# Altium PCB LimeSDR_Mini_1v3_Rounded.PcbDoc (part 2 of 6) (continued)
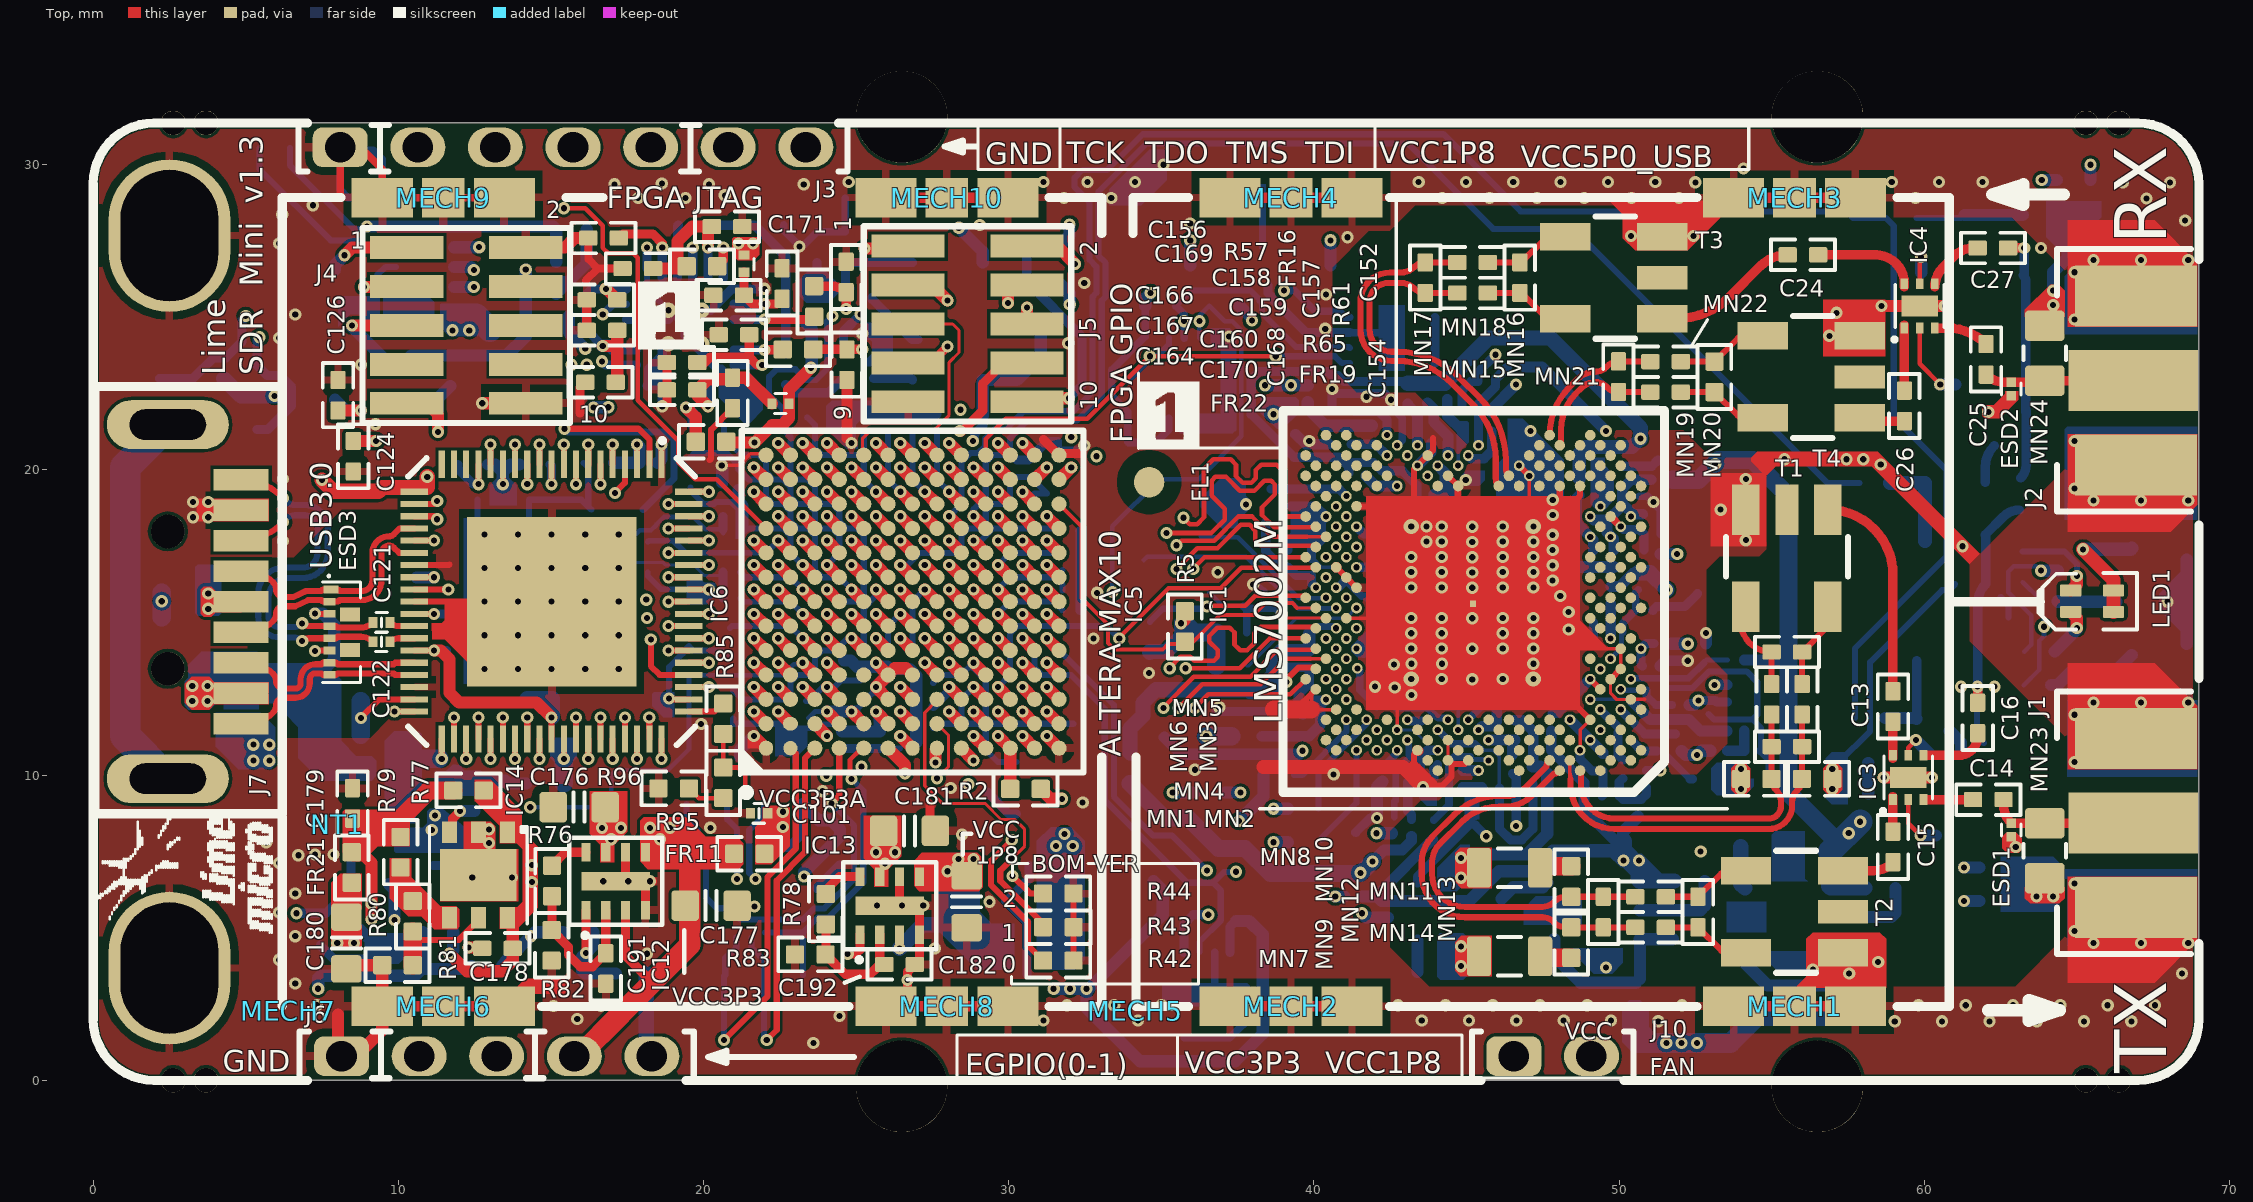
[diagram p0: Top view]
## Part data (continued)
  R35: Assembly Info=NF
R6 R7 R8 R9 R23 R24 R63: library part Res_0402, Manufacturer="Samsung Electro-Mechanics America, Inc.", Manufacturer Part Number 1=RC1005F49R9CS, Operating Temperature="-55°C ~ 155°C", Package / Case="0402 (1005 Metric)", Power (Watts)="0.063W, 1/16W", Resistance (Ohms)=49.9, Supplier Part Number 1=1276-3469-6-ND, Temperature Coefficient=±100ppm/°C, Tolerance=±1%, Category=Resistors, Composition="Thick Film", Features=-, Height="0.016\" (0.40mm)", Number of Terminations=2, Packaging=Digi-Reel®, Part Description="RES SMD 49.9 OHM 1% 1/16W 0402", RoHS="RoHS Compliant", Size / Dimension="0.039\" L x 0.020\" W (1.00mm x 0.50mm)", Supplier 1=Digi-Key, Supplier Device Package="0402 (1005 Metric)"
R12 R13: library part Res_0402, Manufacturer="Stackpole Electronics Inc", Manufacturer Part Number 1=RMCF0402FT2K20, Operating Temperature="-55°C ~ 155°C", Package / Case="0402 (1005 Metric)", Power (Watts)="0.063W, 1/16W", Resistance (Ohms)=2.2k, Supplier Device Package=0402, Supplier Part Number 1=RMCF0402FT2K20CT-ND, Temperature Coefficient=±100ppm/°C, Tolerance=±1%, Category=Resistors, Composition="Thick Film", Features=-, Height="0.016\" (0.40mm)", Number of Terminations=2, Packaging="Cut Tape (CT)", Part Description="RES SMD 2.2K OHM 1% 1/16W 0402", RoHS="RoHS Compliant", Size / Dimension="0.039\" L x 0.020\" W (1.00mm x 0.50mm)", Supplier 1=Digi-Key
R16: library part Res_0402, Manufacturer="Vishay Dale", Manufacturer Part Number 1=CRCW0402560RFKED, Operating Temperature="-55°C ~ 155°C", Package / Case="0402 (1005 Metric)", Power (Watts)="0.063W, 1/16W", Resistance (Ohms)=560, Supplier Part Number 1=541-560LCT-ND, Temperature Coefficient=±100ppm/°C, Tolerance=±1%, Assembly Info=NF, Category=Resistors, Composition="Thick Film", Features="Automotive AEC-Q200", Height="0.016\" (0.40mm)", Number of Terminations=2, Packaging="Cut Tape (CT)", Part Description="RES SMD 560 OHM 1% 1/16W 0402", RoHS="RoHS Compliant", Size / Dimension="0.039\" L x 0.020\" W (1.00mm x 0.50mm)", Supplier 1=Digi-Key, Supplier Device Package="0402 (1005 Metric)"
R17 R22 R25: library part Res_0402, Manufacturer="Stackpole Electronics Inc.", Manufacturer Part Number 1=RMCF0402FT100R, Package / Case="0402 (1005 Metric)", Supplier Part Number 1=RMCF0402FT100RDKR-ND, Temperature Coefficient=±100ppm/°C, Tolerance=±1%, Category=Resistors, Composition="Thick Film", Part Description="RES SMD 100 OHM 1% 1/16W 0402", Supplier 1=Digi-Key
  R17 R22: Assembly Info=NF
R18: library part Res_0402, Manufacturer=Yageo, Manufacturer Part Number 1=RC0402FR-072K49L, Operating Temperature="-55°C ~ 155°C", Package / Case="0402 (1005 Metric)", Power (Watts)="0.063W, 1/16W", Resistance (Ohms)=2.49k, Supplier Device Package=0402, Supplier Part Number 1=311-2.49KLRDKR-ND, Temperature Coefficient=±100ppm/°C, Tolerance=±1%, Category=Resistors, Composition="Thick Film", Features="Moisture Resistant", Height="0.016\" (0.40mm)", Number of Terminations=2, Packaging=Digi-Reel®, Part Description="RES SMD 2.49K OHM 1% 1/16W 0402", RoHS="RoHS Compliant", Size / Dimension="0.039\" L x 0.020\" W (1.00mm x 0.50mm)", Supplier 1=Digi-Key
R19 R39 R64 R66: library part Res_0402, Manufacturer="Stackpole Electronics Inc", Manufacturer Part Number 1=RMCF0402FT1K00, Operating Temperature="-55°C ~ 155°C", Package / Case="0402 (1005 Metric)", Power (Watts)="0.063W, 1/16W", Resistance (Ohms)=1k, Supplier Device Package=0402, Supplier Part Number 1=RMCF0402FT1K00TR-ND, Temperature Coefficient=±100ppm/°C, Tolerance=±1%, Category=Resistors, Composition="Thick Film", Height="0.016\" (0.40mm)", Number of Terminations=2, Part Description="RES SMD 1K OHM 1% 1/16W 0402", RoHS="RoHS Compliant", Size / Dimension="0.039\" L x 0.020\" W (1.00mm x 0.50mm)", Supplier 1=Digi-Key
  R19: Assembly Info=NF, Features=-, Packaging="Tape & Reel (TR)"
  R39 R64 R66: Features="Moisture Resistant", Packaging="Cut Tape (CT)"
R26: library part Res_0402, Manufacturer="Rohm Semiconductor", Manufacturer Part Number 1=RC0201FR-070RL, Operating Temperature="-55°C ~ 125°C", Package / Case="0201 (0603 Metric)", Power (Watts)="0.05W, 1/20W", Resistance (Ohms)=0.0, Supplier Part Number 1=311-0.0MCT-ND, Temperature Coefficient=-, Tolerance=Jumper, Category=Resistors, Composition="Thick Film", Features=-, Height="0.010\" (0.26mm)", Number of Terminations=2, Packaging="Cut Tape (CT)", Part Description="RES SMD 0.0OHM JUMPER 1/20W 0201", RoHS="RoHS Compliant", Size / Dimension="0.024\" L x 0.012\" W (0.60mm x 0.30mm)", Supplier 1=Digi-Key, Supplier Device Package="0201 (0603 Metric)"
R27 R28 R29 R30 R31 R52 R57 R59 R62 R69 R71 R74 R90 R93 R94: library part Res_0402, Manufacturer=Yageo, Manufacturer Part Number 1=RC0402JR-070RL, Operating Temperature="-55°C ~ 155°C", Package / Case="0402 (1005 Metric)", Power (Watts)="0.063W, 1/16W", Resistance (Ohms)=0.0, Supplier Device Package=0402, Supplier Part Number 1=311-0.0JRTR-ND, Temperature Coefficient=-, Tolerance=Jumper, Category=Resistors, Composition="Thick Film", Features="Moisture Resistant", Height="0.016\" (0.40mm)", Number of Terminations=2, Packaging="Tape & Reel (TR)", Part Description="RES SMD 0.0OHM JUMPER 1/16W 0402", RoHS="RoHS Compliant", Size / Dimension="0.039\" L x 0.020\" W (1.00mm x 0.50mm)", Supplier 1=Digi-Key
  R62 R71 R74 R93 R94: Assembly Info=NF
R32 R33: library part Res_0402, Manufacturer="Panasonic Electronic Components", Manufacturer Part Number=ERJ-1GEF10R0C, Operating Temperature="-55°C ~ 125°C", Package / Case="0201 (0603 Metric)", Power (Watts)="0.05W, 1/20W", Resistance (Ohms)=10, Supplier Device Package=0201, Supplier Part Number 1=P10.0ABCT-ND, Temperature Coefficient=±200ppm/°C, Tolerance=±1%, Category=Resistors, Composition="Thick Film", Features=-, Height="0.010\" (0.26mm)", Number of Terminations=2, Packaging="Cut Tape (CT)", Part Description="RES SMD 10 OHM 1% 1/20W 0201", RoHS="RoHS Compliant", Size / Dimension="0.024\" L x 0.012\" W (0.60mm x 0.30mm)", Supplier 1=Digi-Key
R42 R43 R44: library part Res_0402, Manufacturer=Yageo, Package / Case="0402 (1005 Metric)", Supplier Part Number 1=311-0.0JRTR-ND, Category=Resistors, Composition="Thick Film", Part Description="RES SMD 0.0OHM JUMPER 1/16W 0402", Supplier 1=Digi-Key
R50 R81 R84: library part Res_0402, Manufacturer=Yageo, Manufacturer Part Number 1=RC0402FR-074K7L, Operating Temperature="-55°C ~ 155°C", Package / Case="0402 (1005 Metric)", Power (Watts)="0.063W, 1/16W", Supplier Device Package=0402, Supplier Part Number 1=311-4.7KLRCT-ND, Temperature Coefficient=±100ppm/°C, Tolerance=±1%, Category=Resistors, ComponentLink1Description=http://www.yageo.com/documents/recent/PYu-RC_Group_51_RoHS_L_7.pdf, ComponentLink1URL=http://www.yageo.com/documents/recent/PYu-RC_Group_51_RoHS_L_7.pdf, Composition="Thick Film", Failure Rate=-, Features="Moisture Resistant", Height - Seated (Max)="0.016\" (0.40mm)", Packaging="Cut Tape (CT)", Part Description="±1% 0.063W, 1/16W Chip Resistor 0402 (1005 Metric) Moisture Resistant Thick Film", Part Status=Active, Pricing 1="1=0.1, 10=0.014, 100=0.0056, 1000=0.00253, 2500=0.0022, 5000=0.00181 (USD)", RoHS="RoHS Compliant", Size / Dimension="0.039\" L x 0.020\" W (1.00mm x 0.50mm)", Stock 1=4788231, Supplier 1=Digi-Key
R56: library part Res_0402, Manufacturer=Yageo, Manufacturer Part Number 1=RC0402FR-071K6L, Operating Temperature="-55°C ~ 155°C", Package / Case="0402 (1005 Metric)", Power (Watts)="0.063W, 1/16W", Resistance (Ohms)=1.6k, Supplier Device Package=0402, Supplier Part Number 1=YAG3045CT-ND, Temperature Coefficient=±100ppm/°C, Tolerance=±1%, Category=Resistors, Composition="Thick Film", Features="Moisture Resistant", Height="0.016\" (0.40mm)", Number of Terminations=2, Packaging="Cut Tape (CT)", Part Description="RES SMD 1.6K OHM 1% 1/16W 0402", RoHS="RoHS Compliant", Size / Dimension="0.039\" L x 0.020\" W (1.00mm x 0.50mm)", Supplier 1=Digi-Key
R60 R85 R95 R96: library part Res_0402, Manufacturer=Yageo, Manufacturer Part Number 1=RC0402FR-0722RL, Resistance (Ohms)=22, Supplier Device Package=0402, Supplier Part Number 1=311-22.0LRTR-ND, Temperature Coefficient=±100ppm/°C, Tolerance=±1%, Category=Resistors, Composition="Thick Film", Part Description="RES SMD 22 OHM 1% 1/16W 0402", Supplier 1=Digi-Key
  R95 R96: Assembly Info=NF
R67: library part Res_0402, Manufacturer="Vishay Dale", Manufacturer Part Number 1=RMCF0402FT3K00, Operating Temperature="-55°C ~ 155°C", Package / Case="0402 (1005 Metric)", Power (Watts)="0.063W, 1/16W", Resistance (Ohms)=3k, Supplier Part Number 1=RMCF0402FT3K00TR-ND, Temperature Coefficient=±100ppm/°C, Tolerance=±1%, Category=Resistors, Composition="Thick Film", Features="Automotive AEC-Q200", Height="0.016\" (0.40mm)", Number of Terminations=2, Packaging="Cut Tape (CT)", Part Description="RES SMD 3K OHM 1% 1/16W 0402", RoHS="RoHS Compliant", Size / Dimension="0.039\" L x 0.020\" W (1.00mm x 0.50mm)", Supplier 1=Digi-Key, Supplier Device Package="0402 (1005 Metric)"
R70 R72 R73 R75: library part Res_0402, Manufacturer="Stackpole Electronics Inc.", Manufacturer Part Number 1=RMCF0402FT100R, Operating Temperature="-55°C ~ 155°C", Package / Case="0402 (1005 Metric)", Power (Watts)="0.063W, 1/16W", Resistance (Ohms)=100, Supplier Device Package=0402, Supplier Part Number 1=RMCF0402FT100RDKR-ND, Temperature Coefficient=±100ppm/°C, Tolerance=±1%, Category=Resistors, Composition="Thick Film", Features=-, Height="0.016\" (0.40mm)", Number of Terminations=2, Packaging=Digi-Reel®, Part Description="RES SMD 100 OHM 1% 1/16W 0402", RoHS="RoHS Compliant", Size / Dimension="0.039\" L x 0.020\" W (1.00mm x 0.50mm)", Supplier 1=Digi-Key
  R73 R75: Assembly Info=NF
R76: library part Res_0402, Manufacturer=Yageo, Manufacturer Part Number 1=RC0402FR-07118KL, Operating Temperature="-55°C ~ 155°C", Package / Case="0402 (1005 Metric)", Power (Watts)="0.063W, 1/16W", Supplier Device Package=0402, Supplier Part Number 1=YAG2369CT-ND, Temperature Coefficient=±100ppm/°C, Tolerance=±1%, Category=Resistors, Composition="Thick Film", Failure Rate=-, Features="Moisture Resistant", Height - Seated (Max)="0.016\" (0.40mm)", Packaging="Cut Tape (CT)", Part Description="118 kOhms ±1% 0.063W, 1/16W Chip Resistor 0402 (1005 Metric) Moisture Resistant Thick Film", Part Status=Active, RoHS="RoHS Compliant", Size / Dimension="0.039\" L x 0.020\" W (1.00mm x 0.50mm)", Supplier 1=Digi-Key
R78: library part Res_0402, Manufacturer=Yageo, Manufacturer Part Number 1=RC0402FR-07187KL, Operating Temperature="-55°C ~ 155°C", Package / Case="0402 (1005 Metric)", Power (Watts)="0.063W, 1/16W", Supplier Device Package=0402, Supplier Part Number 1=311-187KLRCT-ND, Temperature Coefficient=±100ppm/°C, Tolerance=±1%, Category=Resistors, Composition="Thick Film", Failure Rate=-, Features="Moisture Resistant", Height - Seated (Max)="0.016\" (0.40mm)", Packaging="Cut Tape (CT)", Part Description="187 kOhms ±1% 0.063W, 1/16W Chip Resistor 0402 (1005 Metric) Moisture Resistant Thick Film", Part Status=Active, RoHS="RoHS Compliant", Size / Dimension="0.039\" L x 0.020\" W (1.00mm x 0.50mm)", Supplier 1=Digi-Key
R82: library part Res_0402, Manufacturer=Yageo, Manufacturer Part Number 1=RC0402JR-07150KL, Operating Temperature="-55°C ~ 155°C", Package / Case="0402 (1005 Metric)", Power (Watts)="0.063W, 1/16W", Supplier Device Package=0402, Supplier Part Number 1=311-150KJRCT-ND, Temperature Coefficient=±100ppm/°C, Tolerance=±5%, Category=Resistors, Composition="Thick Film", Failure Rate=-, Features="Moisture Resistant", Height - Seated (Max)="0.016\" (0.40mm)", Packaging="Cut Tape (CT)", Part Description="150 kOhms ±5% 0.063W, 1/16W Chip Resistor 0402 (1005 Metric) Moisture Resistant Thick Film", Part Status=Active, RoHS="RoHS Compliant", Size / Dimension="0.039\" L x 0.020\" W (1.00mm x 0.50mm)", Supplier 1=Digi-Key
R83: library part Res_0402, Manufacturer=Yageo, Manufacturer Part Number 1=RC0402FR-0782K5L, Operating Temperature="-55°C ~ 155°C", Package / Case="0402 (1005 Metric)", Power (Watts)="0.063W, 1/16W", Supplier Device Package=0402, Supplier Part Number 1=311-82.5KLRCT-ND, Temperature Coefficient=±100ppm/°C, Tolerance=±1%, Category=Resistors, Composition="Thick Film", Failure Rate=-, Features="Moisture Resistant", Height - Seated (Max)="0.016\" (0.40mm)", Packaging="Cut Tape (CT)", Part Description="82.5 kOhms ±1% 0.063W, 1/16W Chip Resistor 0402 (1005 Metric) Moisture Resistant Thick Film", Part Status=Active, RoHS="RoHS Compliant", Size / Dimension="0.039\" L x 0.020\" W (1.00mm x 0.50mm)", Supplier 1=Digi-Key
R86: library part Res_0402, Manufacturer=Yageo, Manufacturer Part Number 1=RC0402FR-078K2L, Operating Temperature="-55°C ~ 155°C", Package / Case="0402 (1005 Metric)", Power (Watts)="0.063W, 1/16W", Resistance (Ohms)=8.2k, Supplier Device Package=0402, Supplier Part Number 1=311-8.20KLRCT-ND, Temperature Coefficient=±100ppm/°C, Tolerance=±1%, Category=Resistors, Composition="Thick Film", Features="Moisture Resistant", Height="0.016\" (0.40mm)", Number of Terminations=2, Packaging="Cut Tape (CT)", Part Description="RES SMD 8.2K OHM 1% 1/16W 0402", RoHS="RoHS Compliant", Size / Dimension="0.039\" L x 0.020\" W (1.00mm x 0.50mm)", Supplier 1=Digi-Key
R87: library part Res_0402, Manufacturer=Yageo, Manufacturer Part Number 1=RC0402FR-0715KL, Operating Temperature="-55°C ~ 155°C", Package / Case="0402 (1005 Metric)", Power (Watts)="0.063W, 1/16W", Resistance (Ohms)=15k, Supplier Device Package=0402, Supplier Part Number 1=311-15.0KLRCT-ND, Temperature Coefficient=±100ppm/°C, Tolerance=±1%, Category=Resistors, Composition="Thick Film", Failure Rate=-, Features="Moisture Resistant", Height - Seated (Max)="0.016\" (0.40mm)", Number of Terminations=2, Packaging="Cut Tape (CT)", Part Description="RES SMD 15K OHM 1% 1/16W 0402", Part Status=Active, RoHS="RoHS Compliant", Size / Dimension="0.039\" L x 0.020\" W (1.00mm x 0.50mm)", Supplier 1=Digi-Key
R88: library part Res_0402, Manufacturer=Yageo, Manufacturer Part Number 1=RC0402FR-077K5L, Operating Temperature="-55°C ~ 155°C", Package / Case="0402 (1005 Metric)", Power (Watts)="0.063W, 1/16W", Supplier Device Package=0402, Supplier Part Number 1=YAG3512CT-ND, Temperature Coefficient=±100ppm/°C, Tolerance=±1%, Category=Resistors, Composition="Thick Film", Failure Rate=-, Features="Moisture Resistant", Height - Seated (Max)="0.016\" (0.40mm)", Packaging="Cut Tape (CT)", Part Description="±1% 0.063W, 1/16W Chip Resistor 0402 (1005 Metric) Automotive AEC-Q200, Moisture Resistant Thick Film", Part Status=Active, RoHS="RoHS Compliant", Size / Dimension="0.039\" L x 0.020\" W (1.00mm x 0.50mm)", Supplier 1=Digi-Key
R91 R92: library part Res_0402, Manufacturer="Panasonic Electronic Components", Manufacturer Part Number 1=ERJ-1GEF10R0C, Operating Temperature="-55°C ~ 125°C", Package / Case="0201 (0603 Metric)", Power (Watts)="0.05W, 1/20W", Resistance (Ohms)=10, Supplier Device Package=0201, Supplier Part Number 1=P10.0ABCT-ND, Temperature Coefficient=±200ppm/°C, Tolerance=±1%, Category=Resistors, Composition="Thick Film", Features=-, Height="0.010\" (0.26mm)", Number of Terminations=2, Packaging="Cut Tape (CT)", Part Description="RES SMD 10 OHM 1% 1/20W 0201", RoHS="RoHS Compliant", Size / Dimension="0.024\" L x 0.012\" W (0.60mm x 0.30mm)", Supplier 1=Digi-Key
T1 T2 T3 T4: library part TC1-1-13M+, Manufacturer 1=Minicircuits, Manufacturer Part Number 1=TC1-1-13M-45+, Part Description="RF balun; 1:1 ratio; 3 dB bandwidth: 0.3 MHz to 3.5 GHz; 3.8mm x 3.8mm", Supplier 1=Minicircuits, Supplier Part Number 1=TC1-1-13M-45+
VT1 VT2 VT3: library part BF1105R,215, Current - Test=-, Current Rating=30mA, Frequency=800MHz, Manufacturer="NXP Semiconductors", Package / Case=SOT-143R, Supplier Part Number 1=568-12530-6-ND, Voltage - Rated=7V, Voltage - Test=5V, Category="Discrete Semiconductor Products", Gain=20dB, Manufacturer Part Number 1=BF1105R,215, Noise Figure=1.7dB, Packaging=Digi-Reel®, Part Description="RF MOSFET Transistors Trans MOSFET N-CH 7V 0.03A 4pin(3+Tab)", Power - Output=-, RoHS="RoHS Compliant", Supplier 1=Digi-Key, Supplier Device Package=SOT-143R, Transistor Type="N-Channel Dual Gate"
  VT1 VT2: Assembly Info=NF
VT4: library part NDS331N, "NDS331N", Current - Continuous Drain (Id) @ 25°C="6.3A (Ta)", Drive Voltage (Max Rds On,  Min Rds On)="2.5V, 4.5V", Input Capacitance (Ciss) (Max) @ Vds="700pF @ 16V", Manufacturer="Infineon Technologies", Operating Temperature="-55°C ~ 150°C (TJ)", Package / Case="TO-236-3, SC-59, SOT-23-3", Power Dissipation (Max)="1.3W (Ta)", Supplier Device Package=Micro3™/SOT-23, Supplier Part Number 1=IRLML6244TRPBFTR-ND, Category="Discrete Semiconductor Products", ComponentLink1Description=https://www.infineon.com/dgdl/irlml6244pbf.pdf?fileId=5546d462533600a4015356686fed261f, ComponentLink1URL=https://www.infineon.com/dgdl/irlml6244pbf.pdf?fileId=5546d462533600a4015356686fed261f, FET Feature=-, FET Type=N-Channel, Gate Charge (Qg) (Max) @ Vgs="8.9nC @ 4.5V", Manufacturer Part Number 1=IRLML6244TRPBF, Mounting Type="Surface Mount", Packaging="Tape & Reel (TR)", Part Description="N-Channel 20V 6.3A (Ta) 1.3W (Ta) Surface Mount Micro3™/SOT-23", Part Status=Active, Pricing 1="3000=0.09979 (USD)", Rds On (Max) @ Id, Vgs="21 mOhm @ 6.3A, 4.5V", RoHS="RoHS Compliant", Stock 1=21000, Supplier 1=Digi-Key, Technology="MOSFET (Metal Oxide)", Vgs (Max)=±12V, Vgs(th) (Max) @ Id="1.1V @ 10µA"
XO1: library part Rakon_RTX5032A, Manufacturer=Rakon, Manufacturer Part Number 1=RTX5032A, Part Description="RTX5032A 40MHz, High performance TCXO, With VC, Filter Enabled, 10-pin 5mm x 3.2 mm x 1.65 mm package", Supplier 1=RAKON, Supplier Part Number 1=RTX5032A
XT1: library part CRYSTAL_19M2, "Oscillator Crystal 25 MHz", ESR (Equivalent Series Resistance)="50 Ohm", Frequency Stability=±20ppm, Frequency Tolerance=±10ppm, Load Capacitance=8pF, Manufacturer="AVX Corp/Kyocera Corp", Manufacturer Part Number 1=CX3225SB30000D0FPLCC, Operating Mode=Fundamental, Operating Temperature="-40°C ~ 85°C", Package / Case="4-SMD, No Lead (DFN, LCC)", Ratings=-, Supplier Part Number 1=1253-1368-1-ND, Category="Crystals and Oscillators", Frequency=30MHz, Height="0.024\" (0.60mm)", Mounting Type="Surface Mount", Packaging="Cut Tape (CT)", Part Description="30MHz ±10ppm Crystal 8pF 50 Ohm -40°C ~ 85°C Surface Mount 4-SMD, No Lead (DFN, LCC)", RoHS="RoHS Compliant", Size / Dimension="0.126\" L x 0.098\" W (3.20mm x 2.50mm)", Supplier 1=Digi-Key, Type="MHz Crystal"

## Free pads (board coordinates)
  round 0.8 hole 0.8 unplated mask+0.05: 0(2.625,31.37) 0(2.625,0) 0(3.7,31.37) 0(3.7,0) 0(65.3,0) 0(65.3,31.37) 0(66.375,0) 0(66.375,31.37)
  round 3 hole 3 unplated mask+0.05: 0(26.5,-0.2) 0(26.5,31.57) 0(56.5,-0.2) 0(56.5,31.57)
  oval 4x5 hole 3.2 slot 4.3 at 90 deg mask+0.05: 2(2.5,3.68) 2(2.5,27.68)

## Via types
v1: diameter 0.4, hole 0.2, Top to Bottom, tented both sides, 601 vias
v2: diameter 0.4, hole 0.2, Top to Bottom, tented top, 99 vias
v3: diameter 0.35, hole 0.2, Top to Bottom, tented top, 79 vias
v4: diameter 0.5, hole 0.2, Top to Bottom, tented bottom, 25 vias
v5: diameter 0.35, hole 0.2, Top to Bottom, tented both sides, 9 vias
v6: diameter 0.5, hole 0.2, Top to Bottom, tented both sides, 8 vias

## Nets (pads, with @x,y where several pads share a name; then routed paths per layer and width w, separated by ;. In a path a pad name is that pad's centre, name@x,y a point inside that pad or via, vN(x,y) a via of type N, cw(c..) or ccw(c..) an arc to the next point about the centre after c; other vN are vias at no path point)
+1.8V_DIG_LMK: C157.2 C158.2 C159.2 C160.2 FR16.2 IC7.2 IC7.6 | length 10.4
  Top w0.3: C160.2@19.775,23.45 19.972,23.45 20.222,23.7 21.5,23.7 ; C158.2@21.325,25.725 21.615,25.435 v1(22,25.435) 22.4,25.435 C157.2@22.575,25.61 ; C158.2@21.325,25.725 FR16.2@21.325,26.48 ; C159.2@21.5,24.435 21.5,23.7 ; v1(21.925,23.435) 21.765,23.435 21.5,23.7
  L5 w0.4: 21.35,23.435 v1(21.925,23.435) ; 21.35,25.435 v1(22,25.435)
  L5 w0.5: 21.35,23.435 21.35,25.435
  Bottom w0.3: IC7.6@21,23.435 IC7.6@21.325,23.435 v1(21.925,23.435) ; IC7.2@21,25.435 IC7.2@21.325,25.435 v1(22,25.435)
+3.3V_DIG_LMK: C168.2 C169.2 C170.2 C171.2 FR19.2 IC7.8 IC7.23 R57.2 | length 14.7
  Top w0.4: C169.2@18.35,26.6 19.15,26.6 19.15,27.492 19.633,27.975 C171.2@20.275,27.975 20.15,27.85 v1(20.15,27.285) ; v1(20.15,22.085) 19.8,22.435 C170.2@19.8,22.625 20.15,22.975 20.95,22.975 C168.2@20.95,23.025 21.395,23.025 FR19.2@22.245,22.175
  L3 w0.4: v1(20.15,22.085) 20.575,22.51 20.575,25.975 20.15,26.4 v1(20.15,27.285)
  L4 w0.4: v1(20.15,22.085) v1@20.157,22.085
  Bottom w0.3: v1(20.15,22.085) IC7.8@20.15,22.76 ; IC7.23@20.15,26.285 IC7.23@20.15,26.61 v1(20.15,27.285)
AVDD_FT: C145.2 C146.2 C147.1 FR14.2 IC6.2 | length 33.9
  Top w0.2: v1(15.45,21.35) 17.876,21.35 18.225,21.001 IC6.2@18.225,20.185
  L5 w0.4: v1@11.175,8.75 11.175,9.6 10.425,10.35 10.425,13.725 7,17.15 7,21.05 8.575,22.625 11.1,22.625 12.375,21.35 v1(15.45,21.35)
  Bottom w0.23: v1(15.45,21.35) 15.55,21.25 18.797,21.25 19.04,21.007 19.04,19.715 C145.2@18.025,18.7
  other v1: 11.1,8.2 11.2,8.675
BOM_VER0: IC5.K7 R42.2 | length 17.3
  Top w0.2: v1(30.1,7.875) 29.425,7.2 29.425,6.4 30.625,5.2 30.625,4.425 R42.2@31.125,3.925
  Top w0.4: v1(28.85,16.085) IC5.K7@29.25,15.685
  L5 w0.1: v1(28.85,16.085) 28.635,16.085 28.225,15.675 27.8,15.675 27.625,15.5 27.625,15.1 27.425,14.9 27,14.9 26.85,14.75 26.85,13.375 27.2,13.025 27.2,9.416 27.828,8.787 29.188,8.787 v1(30.1,7.875)
BOM_VER1: IC5.H3 R43.2 | length 11
  Top w0.1: IC5.H3@27.65,12.485 27.65,12.45 27.25,12.05 27.25,9.65 27.825,9.075 29.225,9.075 29.75,8.55 30.2,8.55 30.525,8.225 30.525,7.675 v1(30.1,7.25)
  Top w0.2: v1(30.1,7.25) 29.725,6.875 29.725,6.534 31.127,5.132 R43.2@31.127,5.02
BOM_VER2: IC5.C2 R44.2 | length 14.7
  Top w0.2: v1(30.125,6.7) 30.7,6.125 R44.2@31.125,6.125
  Top w0.4: IC5.C2@23.65,11.685 v1(24.05,11.285)
  L5 w0.1: v1(24.05,11.285) 24.835,11.285 25.225,11.675 25.225,12.375 25.35,12.5 25.76,12.5 26.05,12.79 26.05,13.15 26.2,13.3 26.625,13.3 27,12.925 27,9.333 27.745,8.587 29.105,8.587 29.725,7.967 29.725,7.1 v1(30.125,6.7)
DLY_VCC1P8: C193.2 IC12.1 R84.1 R94.2 | length 4
  Top w0.3: v1(16.15,4.175) IC12.1@16.15,5.575
  Bottom w0.4: R94.2@16.4,4.85 16.4,4.425 v1(16.15,4.175) 16.025,4.05 16.025,3.593 16.118,3.5 R84.1@17.125,3.5
FAN_CTRL: IC5.C5 R49.2 VT4.G | length 24.2
  Top w0.4: v2(23.25,14.485) IC5.C5@23.65,14.085
  L2 w0.1: v1(9.875,5.25) 18.475,5.25 21.925,8.7 21.925,10.88 22.85,11.805 22.85,14.085 v2(23.25,14.485)
  Bottom w0.2: R49.2@20.875,14.825 20.935,14.885 22.85,14.885 v2(23.25,14.485)
  Bottom w0.4: VT4.G@9.7,6.425 9.875,6.25 v1(9.875,5.25)
FPGA_CONFIG_SEL: IC5.D7 R35.2 R38.2 | length 41.6
  Top w0.4: v2(24.05,16.085) IC5.D7@24.45,15.685
  L4 w0.1: v1(5,25.05) 8.275,28.325 9.15,28.325 9.6,27.875 11.575,27.875 11.8,27.65 12.925,27.65 13.075,27.5 17.433,27.5 18.598,26.335 19.89,26.335 21.64,24.585 23.76,24.585 v1(24.225,25.05)
  Bottom w0.2: v2(24.05,16.085) 24.45,15.685 25.016,15.685 25.25,15.919 25.25,17.851 25.016,18.085 24.684,18.085 24.45,18.319 24.45,18.651 24.216,18.885 23.884,18.885 23.65,19.119 23.65,19.451 23.416,19.685 23.04,19.685 22.85,19.875 22.85,21.1 22.6,21.35 22.6,22 22.15,22.45 22.15,23.054 22.396,23.3 23.009,23.3 23.359,22.95 23.691,22.95 24.05,23.309 24.05,24.875 v1(24.225,25.05)
  Bottom w0.3: R38.2@2.175,23 R35.2@3.275,23 3.95,23.675 4.35,23.675 4.875,24.2 4.875,24.925 v1(5,25.05)
FPGA_EGPIO0: IC5.B7 J6.2 | length 29.4
  Top w0.4: v1(22.45,16.085) IC5.B7@22.85,15.685
  L2 w0.1: v1(18.125,15.75) 18.425,16.05 19.25,16.05 19.615,15.685 22.05,15.685 v1(22.45,16.085)
  L6 w0.1: J6.2@10.682,0.795 10.682,1.977 9.709,2.95 8.05,2.95 7,4 7,5.316 8.525,6.841 8.525,8.433 11.567,11.475 12,11.475 12.225,11.7 12.225,12.1 12.4,12.275 13.017,12.275 13.417,12.675 14.781,12.675 15.525,13.419 15.525,13.808 15.892,14.175 16.281,14.175 16.625,14.519 16.625,14.834 17.076,15.285 17.66,15.285 v1(18.125,15.75)
FPGA_EGPIO1: IC5.D6 J6.3 | length 31.9
  Top w0.4: v1(24.05,15.285) IC5.D6@24.45,14.885
  L2 w0.1: v1(18.15,15.15) 18.3,15.3 19.575,15.3 19.95,14.925 23.69,14.925 v1(24.05,15.285)
  L6 w0.1: J6.3@13.225,0.795 12.147,0.795 9.792,3.15 8.133,3.15 7.2,4.083 7.2,5.233 8.725,6.758 8.725,8.35 11.65,11.275 12.083,11.275 12.333,11.525 12.8,11.525 13.025,11.75 13.025,12 13.5,12.475 14.864,12.475 15.725,13.336 15.725,13.725 15.975,13.975 16.364,13.975 16.825,14.436 16.825,14.751 17.159,15.085 18.085,15.085 v1(18.15,15.15)
FPGA_GPIO0: IC5.A11 J5.1 | length 12.5
  Top w0.4: v1(21.65,19.285) IC5.A11@22.05,18.885 ; v1(25.275,27.26) J5.1@26.7,27.26
  L5 w0.1: v1(21.65,19.285) 21.1,19.835 21.1,21.396 22.475,22.771 22.475,23.675 22.65,23.85 22.65,25.675 23.95,26.975 24.99,26.975 v1(25.275,27.26)
FPGA_GPIO1: IC5.B10 J5.2 | length 20.5
  Top w0.4: v1(22.45,18.485) IC5.B10@22.85,18.085 ; J5.2@30.6,27.335 31.59,27.335 v1(32.175,26.75)
  L5 w0.1: v1(22.45,18.485) 22.1,18.835 22.1,19.33 21.795,19.635 21.605,19.635 21.3,19.94 21.3,21.313 22.675,22.688 22.675,23.592 22.85,23.767 22.85,25.592 24.008,26.75 v1(32.175,26.75)
FPGA_GPIO2: IC5.C10 J5.3 | length 15.8
  Top w0.4: v1(23.25,18.485) IC5.C10@23.65,18.085 ; J5.3@26.7,26.06 27.49,26.06 v1(28,25.55)
  L5 w0.1: v1(23.25,18.485) 22.9,18.835 22.9,19.33 22.495,19.735 22.305,19.735 22.1,19.94 22.1,21.83 22.875,22.605 22.875,23.509 23.05,23.684 23.05,25.509 24.005,26.465 26.701,26.465 27.616,25.55 v1(28,25.55)
FPGA_GPIO3: IC5.D11 J5.4 | length 15.9
  Top w0.4: v1(24.05,19.285) IC5.D11@24.45,18.885 ; v1(29.975,25.475) J5.4@29.975,26.06
  L5 w0.1: v1(24.05,19.285) 23.7,19.635 23.205,19.635 22.9,19.94 22.9,22.347 23.075,22.522 23.075,23.426 23.25,23.601 23.25,25.426 24.088,26.265 26.618,26.265 27.808,25.075 29.575,25.075 v1(29.975,25.475)
FPGA_GPIO4: IC5.E13 J5.5 | length 8.4
  Top w0.1: IC5.E13@25.25,20.485 25.217,20.518 25.217,21.042 25.493,21.318 27.57,21.318 28.05,21.798 28.05,23.525 28.375,23.85 28.375,24.575 28.165,24.785 J5.5@26.7,24.785
FPGA_GPIO5: IC5.F13 J5.6 | length 16.7
  Top w0.4: v1(25.65,20.885) IC5.F13@26.05,20.485 ; J5.6@30.6,24.785 v1(30.6,25.325)
  L5 w0.1: v1(25.65,20.885) 25.3,21.235 24.705,21.235 24.5,21.03 24.5,20.775 24.26,20.535 23.905,20.535 23.7,20.74 23.7,21.23 23.9,21.43 23.9,23.55 23.45,24 23.45,25.344 24.156,26.05 26.55,26.05 27.725,24.875 29.87,24.875 30.32,25.325 v1(30.6,25.325)
FPGA_GPIO6: IC5.F10 J5.7 | length 15.4
  Top w0.3: J5.7@26.7,23.51 27.46,23.51 v1(28,24.05)
  Top w0.4: v1(25.65,18.485) IC5.F10@26.05,18.085
  L5 w0.1: v1(25.65,18.485) 26.075,18.91 26.075,21.042 25.682,21.435 24.8,21.435 24.3,21.935 24.3,23.716 23.85,24.166 23.85,25.178 24.297,25.625 26.409,25.625 27.984,24.05 v1(28,24.05)
FPGA_GPIO7: IC5.G10 J5.8 | length 8.6
  Top w0.3: v1@28.425,21.225 29.15,21.95 29.15,22.825 29.835,23.51 J5.8@30.6,23.51
  Top w0.4: v1(26.45,18.485) IC5.G10@26.85,18.085
  L5 w0.1: v1(26.45,18.485) 26.85,18.885 26.85,21.075 27.05,21.275 v1(28.4,21.275)
FPGA_I2C_SCL: IC5.D13 IC8.2 IC10.6 R66.2 | length 26.2
  Top w0.4: v2(24.05,20.885) IC5.D13@24.45,20.485
  L5 w0.1: v2(24.05,20.885) 24.1,20.935 24.1,23.633 23.65,24.083 23.65,25.261 24.239,25.85 26.467,25.85 27.692,24.625 35.5,24.625 v1(35.75,24.875)
  Bottom w0.2: R66.2@35.475,25.375 35.975,25.875 37.925,25.875 38.225,25.575 38.225,25.544 38.3,25.469 38.3,25.146 39.421,24.025 41.15,24.025 IC10.6@41.175,24
  Bottom w0.25: R66.2@35.475,25.375 35.75,25.1 v1(35.75,24.875) IC8.2@35.75,24.325
FPGA_I2C_SDA: IC5.K13 IC8.1 IC10.5 R64.2 | length 15.9
  Top w0.15: IC5.K13@29.192,20.543 IC5.K13@29.25,20.485 29.25,21.015 29.91,21.675 32.575,21.675 v1(34.625,23.725) v1(38.75,23.725)
  Bottom w0.2: R64.2@33.9,22.9 34.625,23.625 v1(34.625,23.725) 34.875,23.725 35.25,24.1 IC8.1@35.25,24.325 ; v1(38.75,23.725) 40.692,23.725 40.917,23.5 IC10.5@41.175,23.5
FPGA_JTAG_TCK: IC5.G2 J3.2 J4.1 R39.1 | length 46
  Top w0.4: v1(8.235,27.035) 8.485,27.285 J4.1@10.275,27.285 ; v2(26.45,12.085) IC5.G2@26.85,11.685
  L4 w0.1: v1(8.235,27.035) 8.525,26.745 8.525,25.209 9.567,24.167 10.012,23.72 10.012,19.87 10.425,19.458 10.425,10.317 11.117,9.625 12.408,9.625 13.708,8.325 14.542,8.325 15.342,9.125 20.442,9.125 21.817,7.75 23.726,7.75 25.75,9.774 25.75,11.385 v2(26.45,12.085)
  L6 w0.1: v1(8.235,27.035) 8.535,27.035 10.639,29.139 J3.2@10.639,30.475
  Bottom w0.4: R39.1@7.925,26.55 7.925,26.725 v1(8.235,27.035)
FPGA_JTAG_TDI: IC5.F5 J3.5 J4.9 R36.1 | length 47.5
  Top w0.4: J4.9@10.275,22.185 10.94,22.185 11.3,21.825 v1(11.3,21.25) ; v2(25.65,14.485) IC5.F5@26.05,14.085
  L5 w0.1: v1(11.3,21.25) 11.3,19.528 11.65,19.178 11.65,17.475 10.775,16.6 10.775,10.55 12.025,9.3 20.65,9.3 21.325,9.975 v1(24.025,9.975)
  L6 w0.1: v1(11.3,21.25) 11.3,22.72 13.225,24.645 13.225,27.1 15.25,29.125 16.03,29.125 17.38,30.475 J3.5@18.268,30.475 ; v1(24.025,9.975) 24.45,10.4 24.45,13.285 v2(25.65,14.485)
  Bottom w0.4: v1(11.3,21.25) 11.3,22.35 R36.1@11.7,22.75